# Altium PCB MPPT_FINAL.pcbdoc (part 1 of 2)
Units mil, origin at the board's own origin, x right, y up, seen from the top; angles counter-clockwise.
Board outline 3897.64 x 3105 mil, 2 copper layers (Top Layer, Bottom Layer); 148 components, 102 nets, 491 pads, 184 vias.
Unrouted connection lines stored in the file: 3.
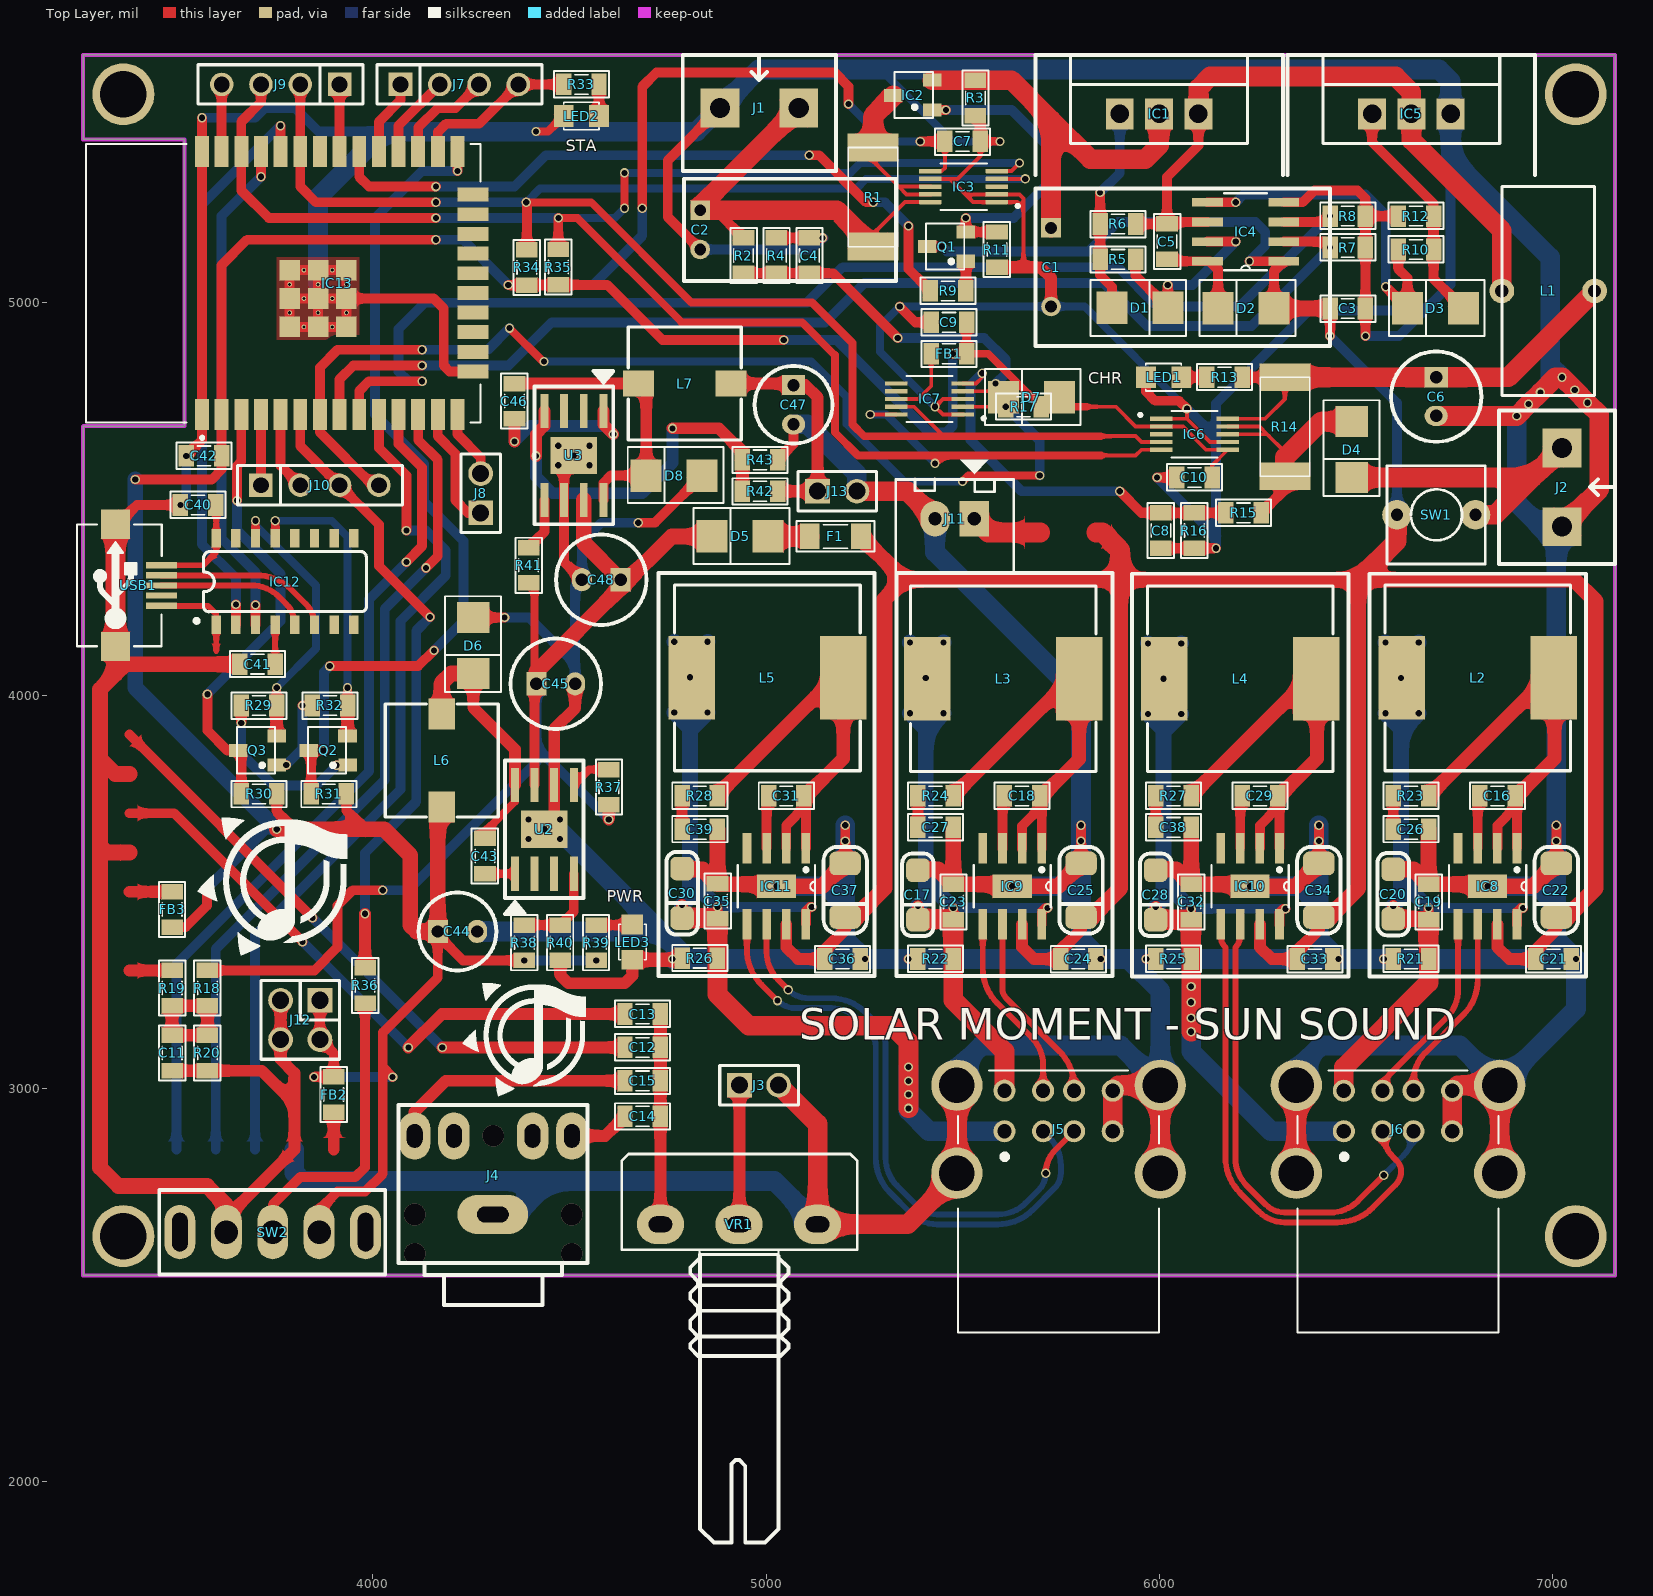
[diagram p0: Top Layer view]
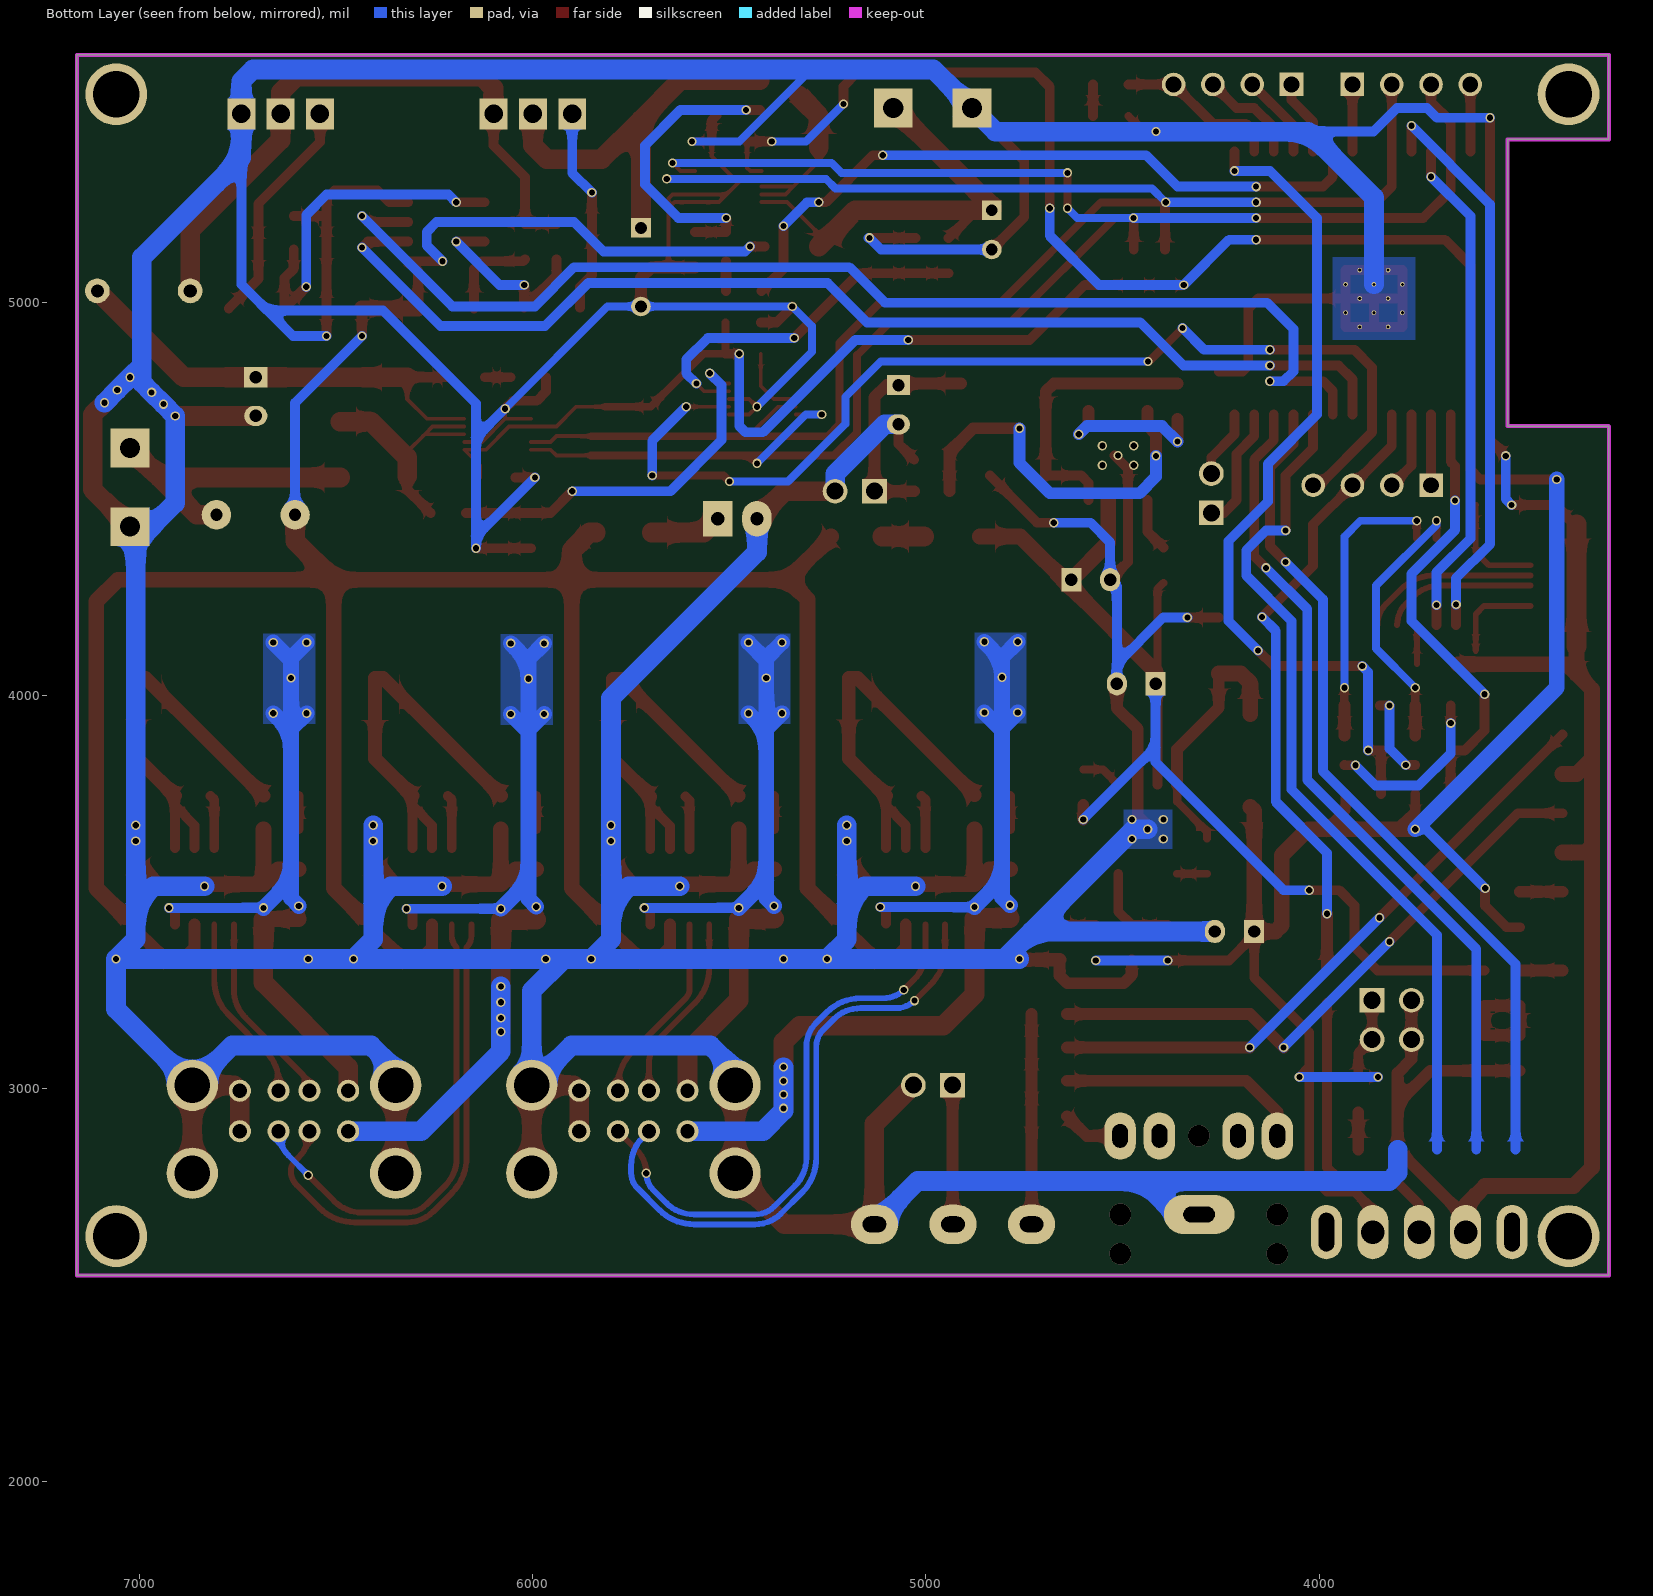
[diagram p1: Bottom Layer view, seen from below]
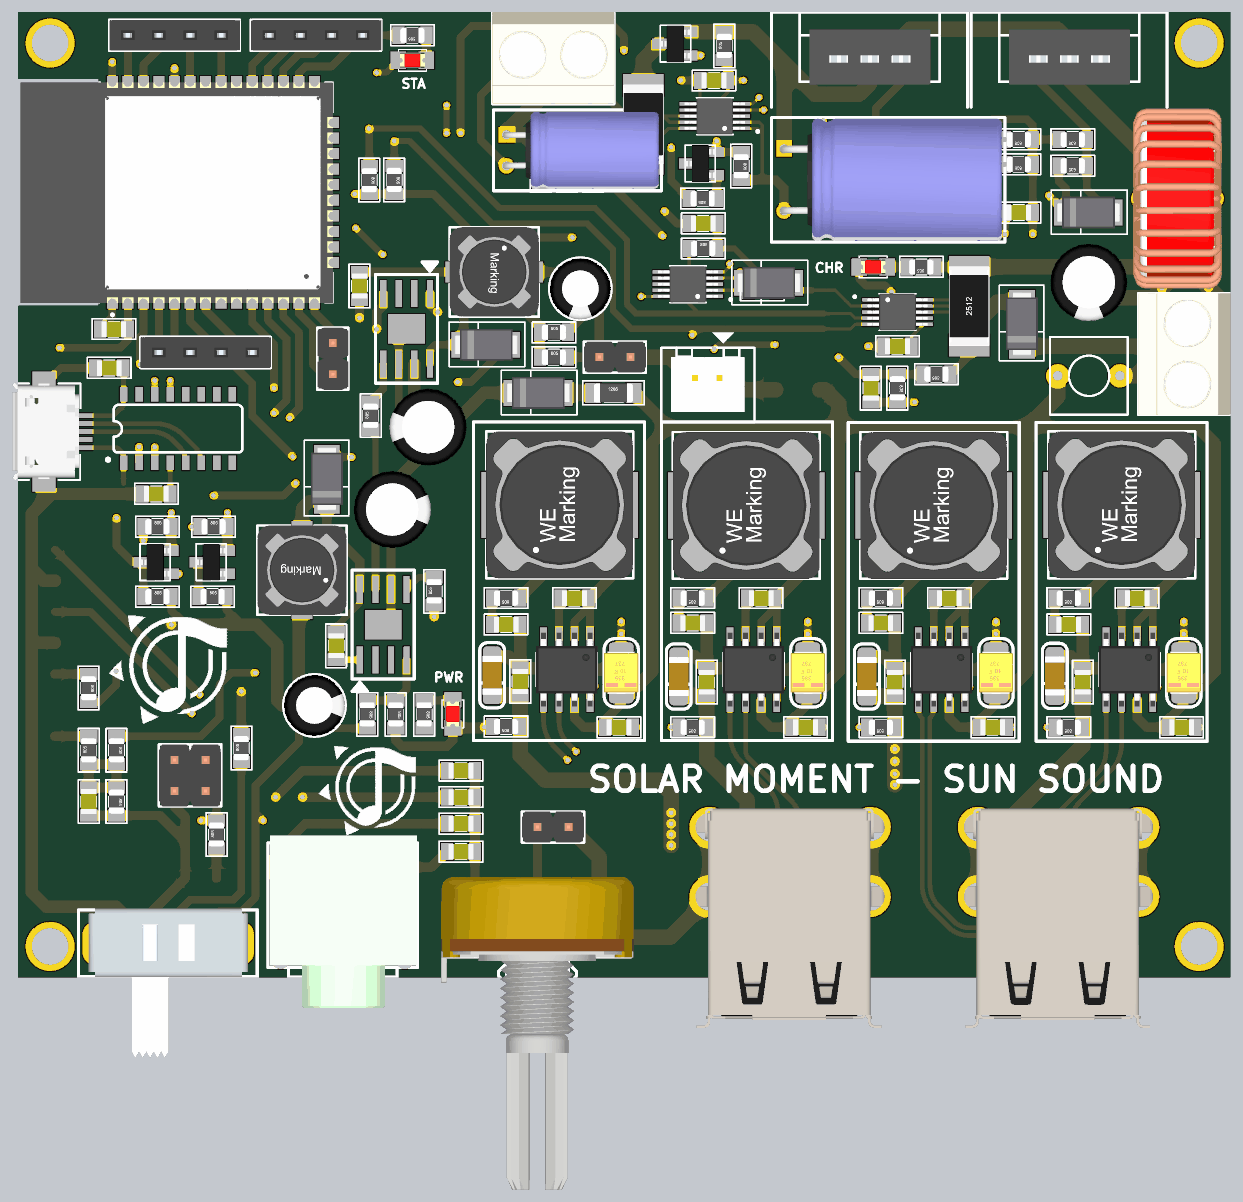
[diagram p3: 3D render of the assembled board from above, using the file's embedded part models]

## Layer stack, top to bottom
Top Solder: solder mask 0.4, Solder Resist, Dk 3.5
Top Layer: signal copper 1.4
Dielectric 1: dielectric 12.6, FR-4, Dk 4.8
Bottom Layer: signal copper 1.4
Bottom Solder: solder mask 0.4, Solder Resist, Dk 3.5

## Board outline
3262.36,5415 3262.36,5630 7160,5630 7160,2525 3262.36,2525 3262.36,4685 3262.83,4685.47 3520,4685.47 3520,5415

## Design rules (kind name [scope] priority, off if disabled: settings)
Clearance [All] p1: gap=25 ignorepadtopadclearanceinfootprint=TRUE except(0: Arc-Text Arc-Hole Track-Text Track-Hole SMDPad-Text SMDPad-Hole THPad-Text THPad-Hole Via-Text Via-Hole Fill-Text Fill-Hole Poly-Text Poly-Hole Region-Text Region-Hole Text-Text Text-Hole; 7: Arc-Arc Arc-Track Arc-SMDPad Track-Track Track-SMDPad; 10: SMDPad-SMDPad; 15: Arc-THPad Arc-Via Track-THPad Track-Via SMDPad-THPad SMDPad-Via THPad-THPad THPad-Via Via-Via)
DiffPairsRouting [All] p1: maxlimit=10 minlimit=10 mostfreqgap=10 toplayer_minwidth=15 toplayer_maxwidth=15 toplayer_prefwidth=15 bottomlayer_minwidth=15 bottomlayer_maxwidth=15 bottomlayer_prefwidth=15 maxuncoupledlength=500
PolygonConnect [All] p1: connectstyle=Direct reliefconductorwidth=15 reliefentries=4 polygonreliefangle="45 Angle" airgapwidth=10
RoutingVias [All] p1: holewidth=15.75 width=23.62 viastyle="Through Hole" minholewidth=15.75 minwidth=23.62 maxholewidth=15.75 maxwidth=23.62
SolderMaskExpansion [All] p1: expansion=4
Width [All] p1: maxlimit=50 minlimit=10 preferedwidth=20
29 further rules are at their usual default settings.

## Classes and differential pairs
component class U_POWER: C48 D5 D8 J12 J13 L7 U2 U3
component class U_MCU: IC12 IC13 J7 R33 R34 R35 R36
component class U_CHARGER: C18 C21 C26 C29 C33 C34 C35 C39 IC11 J5 L2 L4 R23 R24 R25 R28
component class U_AUDIO: C11 FB2 FB3 J4 R18 R19 R20 U1
component class U_MPPT: C8 D2 FB1 IC2 IC3 IC6 IC7 J2 L1 R1 R4 R7 R9 R12 R17
differential pair D: +D_P -D_N
differential pair DP4: +DP4_P -DP4_N
differential pair DP3: +DP3_P -DP3_N
differential pair DP2: +DP2_P -DP2_N
differential pair DP1: +DP1_P -DP1_N

## Components (designator, comment, footprint, x,y, rotation, side; value= is the part's Value field where it differs from the comment)
C1 "470uF/35V" CAP_H17_D10 5715,5090 r270 top
C2 "100uF/35V" CAP_H12_D06 4820.73,5185 r270 top
C3 "100nF" CAP_0805 6480,4985 r0 top value=33p
C4 "1uF" CAP_0805 5110.09,5119.65 r90 top value=33p
C5 "10uF" CAP_0805 6020,5155 r90 top value=33p
C6 "470uF/25V" C8mm 6705,4760.79 r270 top
C7 "100nF" CAP_0805 5500.09,5410 r0 top value=33p
C8 "1uF" CAP_0805 6004.65,4420 r270 top value=33p
C9 "100nF" CAP_0805 5465.3,4949.69 r180 top value=33p
C10 "100nF" CAP_0805 6090,4555 r180 top value=33p
C11 "10uF" CAP_0805 3489.09,3090.91 r90 top value=33p
C12 "10uF" CAP_0805 4686.18,3105 r180 top value=33p
C13 "10uF" CAP_0805 4686.18,3190 r180 top value=33p
C14 "10uF" CAP_0805 4686.18,2930 r0 top value=33p
C15 "10uF" CAP_0805 4686.18,3020 r0 top value=33p
C16 "100nF" CAP_0805 6860.59,3745 r180 top value=33p
C17 "220uF/10V" CAP_3216 5386.42,3492.99 r90 top
C18 "100nF" CAP_0805 5651.42,3745 r180 top value=33p
C19 "10uF" CAP_0805 6685.59,3475 r90 top value=33p
C20 "220uF/10V" CAP_3216 6595.59,3495 r90 top
C21 "22uF" CAP_0805 7003.51,3330 r0 top value=33p
C22 "100uF/25V" CAP_3528 7010.59,3505 r90 top
C23 "10uF" CAP_0805 5476.42,3475 r90 top value=33p
C24 "22uF" CAP_0805 5794.33,3330 r0 top value=33p
C25 "100uF/25V" CAP_3528 5801.42,3505 r90 top
C26 "1nF" CAP_0805 6640.59,3660 r180 top value=33p
C27 "1nF" CAP_0805 5431.42,3665 r180 top value=33p
C28 "220uF/10V" CAP_3216 5991.42,3492.99 r90 top
C29 "100nF" CAP_0805 6256.42,3745 r180 top value=33p
C30 "220uF/10V" CAP_3216 4786.42,3497.01 r90 top
C31 "100nF" CAP_0805 5051.42,3745 r180 top value=33p
C32 "10uF" CAP_0805 6081.42,3475 r90 top value=33p
C33 "22uF" CAP_0805 6396.42,3330 r0 top value=33p
C34 "100uF/25V" CAP_3528 6406.42,3505 r90 top
C35 "10uF" CAP_0805 4876.42,3477.01 r90 top value=33p
C36 "22uF" CAP_0805 5194.33,3330.01 r0 top value=33p
C37 "100uF/25V" CAP_3528 5201.42,3505.01 r90 top
C38 "1nF" CAP_0805 6036.42,3665 r180 top value=33p
C39 "1nF" CAP_0805 4831.42,3660.01 r180 top value=33p
C40 "100nF" CAP_0805 3555,4485 r180 top value=33p
C41 "100nF" CAP_0805 3706.53,4080 r180 top value=33p
C42 "10uF" CAP_0805 3570,4610 r180 top value=33p
C43 "100nF" CAP_0805 4285,3591.81 r270 top value=33p
C44 "220uF/10V" C5mm 4215,3400 r0 top
C45 "470uF/25V" C8mm 4465,4030 r0 top
C46 "100nF" CAP_0805 4360,4749.05 r270 top value=33p
C47 "220uF/10V" C5mm 5070,4740 r270 top
C48 "470uF/25V" C8mm 4580.79,4295 r180 top
D1 "1N5822" DIO-214AC(SMA) 5929,4984 r180 top value="Diode c?m 1N5408"
D2 "1N4007" DIO-214AC(SMA) 6243.2,4988 r0 top
D3 "1N5822" DIO-214AC(SMA) 6724.92,4988 r0 top value="Diode c?m 1N5408"
D4 "1N5822" DIO-214AC(SMA) 6487,4648.2 r90 top value="Diode c?m 1N5408"
D5 "1N5822" DIO-214AC(SMA) 4956,4408 r0 top value="Diode c?m 1N5408"
D6 "1N5822" DIO-214AC(SMA) 4252,4149.56 r90 top value="Diode c?m 1N5408"
D7 "1N5822" DIO-214AC(SMA) 5697.3,4761.82 r0 top value="Diode c?m 1N5408"
D8 "1N5822" DIO-214AC(SMA) 4788.2,4563 r0 top value="Diode c?m 1N5408"
F1 "F1A" RES-SMD-1206 5176.42,4405 r0 top value=Fuse
FB1 "10R" RES-SMD-0805 5465.3,4869.69 r0 top
FB2 "FB10R" RES-SMD-0805 3900,2985 r90 top
FB3 "FB10R" RES-SMD-0805 3489.09,3455.9 r270 top
IC1 "IRF2807" TO-220 6000,5480 r0 top
IC2 "AO3400" SOT23A 5373.33,5527 r90 top
IC3 "INA226" VSSOP-10 5502.54,5295 r180 top
IC4 "IR2104" SOP-8 6220,5180 r180 top
IC5 "IRF2807" TO-220 6641.72,5480 r0 top
IC6 "INA226" VSSOP-10 6090,4665 r0 top
IC7 "ADS1115" VSSOP-10 5415.94,4754.69 r180 top
IC8 "IP6505" ESOP-8 6835.59,3515 r270 top
IC9 "IP6505" ESOP-8 5626.42,3515 r270 top
IC10 "IP6505" ESOP-8 6231.42,3515 r270 top
IC11 "IP6505" ESOP-8 5026.42,3515 r270 top
IC12 "CH340C" SOP-16 3776.22,4290.24 r0 top
IC13 "ESP32-WROOM-32" MODULE_ESP32-WROOM-32 3772.09,5049.65 r90 top
J1 "KF2" KF2-5.08 4983.08,5495 r0 top
J2 "KF2" KF2-5.08 7025,4530 r270 top
J3 "JP2" JP2-D1T 4932.18,3009 r0 top
J4 "Jack Audio 3.5" JacPhone2 4306,2780 r180 top
J5 "USB-A-DUAL" USB_A_DUAL_FEMALE 5744.51,2708.76 r0 top
J6 "USB-A-DUAL" USB_A_DUAL_FEMALE 6607.96,2708.69 r0 top
J7 "JP4" JP4-C1T 4070,5555 r0 top
J8 "JP2" JP2-D1T 4274,4465 r90 top
J9 "JP4" JP4-C1T 3915,5555 r180 top
J10 "JP4" JP4-C1T 3715,4535 r0 top
J11 "KF2" CON2 5530,4450 r180 top
J12 "JP2x2" JP2-D2T 3815.03,3175 r180 top value="JP 2x2"
J13 "JP2" JP2-D1T 5131.18,4520 r0 top
L1 "180uH" L-DIP-M-13.5x6 6990,5029.68 r0 top value="150 mH"
L2 "22uH" L-SMD-M-12x10 6810.59,4045 r90 top value="150 mH"
L3 "22uH" L-SMD-M-12x10 5603.51,4042.99 r90 top value="150 mH"
L4 "22uH" L-SMD-M-12x10 6206.42,4042.99 r90 top value="150 mH"
L5 "22uH" L-SMD-M-12x10 5003.51,4045 r90 top value="150 mH"
L6 "33uH" L-SMD-M-7.3x4.5 4175,3835 r0 top value="150 mH"
L7 "33uH" L-SMD-M-7.3x4.5 4793.11,4794.06 r90 top value="150 mH"
LED1 "LED" LED-0805-Red 6056.5,4810 r180 top value="LED 3 ly Single Colour"
LED2 "LED" LED-0805-Red 4575,5474.61 r180 top value="LED 3 ly Single Colour"
LED3 "LED" LED-0805-Red 4660,3417.85 r270 top value="LED 3 ly Single Colour"
Q1 "2SC1815" SOT23D 5459.3,5142.54 r90 top value=C1815
Q2 "2SC1815" SOT23D 3886.22,3860.69 r90 top value=C1815
Q3 "2SC1815" SOT23D 3706,3860.69 r90 top value=C1815
R1 "R050" RES-SMD-2512 5267.55,5268.53 r270 top
R2 "200k" RES-SMD-0805 4942.54,5119.65 r90 top
R3 "1M" RES-SMD-0805 5532.54,5520.8 r90 top
R4 "20k" RES-SMD-0805 5026.31,5119.65 r90 top
R5 "100R" RES-SMD-0805 5895,5110 r0 top
R6 "100k" RES-SMD-0805 5895,5200 r0 top
R7 "10k" RES-SMD-0805 6480,5140 r180 top
R8 "10k" RES-SMD-0805 6480,5220 r180 top
R9 "100R" RES-SMD-0805 5463.3,5029.68 r180 top
R10 "100R" RES-SMD-0805 6653.43,5135 r180 top
R11 "100k" RES-SMD-0805 5587.5,5134.54 r270 top
R12 "100k" RES-SMD-0805 6653.43,5220 r180 top
R13 "8k2" RES-SMD-0805 6166.5,4810 r180 top
R14 "R050" RES-SMD-2512 6325,4684.01 r90 top
R15 "100k" RES-SMD-0805 6215,4465 r180 top
R16 "30k" RES-SMD-0805 6089.65,4420 r270 top
R17 "10k" RES-SMD-0805 5655,4735 r180 top
R18 "8k2" RES-SMD-0805 3578.72,3255.9 r270 top
R19 "0R" RES-SMD-0805 3489.09,3255.91 r90 top
R20 "2k7" RES-SMD-0805 3578.72,3090.9 r270 top
R21 "3k3" RES-SMD-0805 6640.59,3330 r180 top
R22 "3k3" RES-SMD-0805 5431.42,3330 r180 top
R23 "2R" RES-SMD-0805 6640.59,3745 r180 top
R24 "2R" RES-SMD-0805 5431.42,3745 r180 top
R25 "3k3" RES-SMD-0805 6036.42,3330 r180 top
R26 "3k3" RES-SMD-0805 4831.42,3332.01 r180 top
R27 "2R" RES-SMD-0805 6036.42,3745 r180 top
R28 "2R" RES-SMD-0805 4831.42,3745 r180 top
R29 "10k" RES-SMD-0805 3710,3975 r0 top
R30 "10k" RES-SMD-0805 3710.21,3750.01 r0 top
R31 "10k" RES-SMD-0805 3887.52,3750 r0 top
R32 "10k" RES-SMD-0805 3890.43,3975 r0 top
R33 "470R" RES-SMD-0805 4530,5555 r180 top
R34 "10k" RES-SMD-0805 4391.5,5089.49 r270 top
R35 "10k" RES-SMD-0805 4471.5,5090 r270 top
R36 "10k" RES-SMD-0805 3979.9,3262.91 r90 top
R37 "100k" RES-SMD-0805 4600,3767 r90 top
R38 "100k" RES-SMD-0805 4385,3371.35 r270 top
R39 "1k" RES-SMD-0805 4568,3371.35 r270 top
R40 "62k" RES-SMD-0805 4476.5,3371.35 r270 top
R41 "100k" RES-SMD-0805 4396,4331.69 r90 top
R42 "30k" RES-SMD-0805 4985,4520 r0 top
R43 "10k" RES-SMD-0805 4985,4600 r0 top
SW1 "SW" SW2 6805,4460 r180 top value="SW chip 2 pin"
SW2 "SW102" Switch 3981.22,2635 r180 top
U2 "TPS5430" TPS5430-2 4436,3660 r90 top
U3 "TPS5430" TPS5430-2 4511.23,4610.94 r270 top
USB1 "USB-5" USB-M1 3461.84,4280.51 r90 top
VR1 "10k" VOL_X1 4931.18,2655 r0 top value="VR 10K"

## Footprints (in the part's own frame and the unit in brackets; to place one, negate y for a bottom-side part, rotate by r counter-clockwise, add the part's x,y. Pads: shape width x height; smd on the part's side, far side on the other; paste and mask are expansions set on the pad)
C5mm [mm]
  rect 1.3x1.5 hole 0.8: 1(-1.27,0)
  oval 1.3x1.5 hole 0.8: 2(1.27,0)
  silkscreen extent -2.51,-2.51 2.51,2.51, body extent -2.5,-2.5 2.49,2.5, height 11.01
C8mm [mm]
  rect 1.3x1.5 hole 0.8: 1(-1.25,0)
  oval 1.3x1.5 hole 0.8: 2(1.25,0)
  silkscreen extent -2.92,-2.92 2.92,2.92, body extent -3.15,-3.15 3.16,3.15, height 11.51
CAP_0805 [mil]
  rect 39.37x55 smd: 1(-45,0) 2(45,0)
  silkscreen extent -70,-34 70,33, body extent -40,-25 40,25, height 24
CAP_3216 [mil]
  rrect50% 60x60 smd: 1(-62.99,0) 2(62.99,0)
  silkscreen extent -105,-40 105,40, body extent -63,-31 63,31, height 39
CAP_3528 [mil]
  rrect50% 60x80 smd: 1(-68.12,0.01) 2(68.1,0.01)
  silkscreen extent -110,-55 110,55, body extent -68,-55 68,55, height 76
CAP_H12_D06 [mil]
  rect 50x50 hole 30: 1(-50,11.81)
  round 50 hole 30: 2(50,11.81)
  silkscreen extent -130,-30 130,510, body extent -124,0 124,503, height 488
CAP_H17_D10 [mil]
  rect 50x50 hole 30: 1(-100,10)
  round 50 hole 30: 2(100,10)
  silkscreen extent -200,-30 200,720, body extent -197,-2 197,711, height 634
CON2 [mil] "CON2"
  rect 75x90 hole 34: 1(0,0)
  oval 75x90 hole 34: 2(100,0)
  silkscreen extent -100,-150 200,140, body extent -68,-70 168,107, height 236
DIO-214AC(SMA) [mm] "DO-214AC Diode Smallest Size"
  rect 2x2.1 smd: 1(1.245,-0.076) 2(-2.367,-0.076)
  silkscreen extent -3.56,-1.86 2.62,1.76, body extent -3.13,-1.38 2.07,1.22, height 2.4
ESOP-8 [mil]
  rect 78x22 smd: 1(-97,75) 2(-97,25) 3(-97,-25) 4(-97,-75) 5(97,-75) 6(97,-25) 7(97,25) 8(97,75)
  rect 60x100 smd: 9(0,0)
  Top Layer region: -190,-20
  silkscreen extent -54,-98 54,98, body extent -119,-99 119,99, height 63
JacPhone2 [mil] "Jac Phone Stereo"
  oval 80x120 hole 40 slot 60 at 90 deg: 1(-200,-100) 2(-100,-100) 3(100,-100) 4(200,-100)
  oval 180x100 hole 40 slot 80 at 0 deg: 5(1,100)
  silkscreen extent -240,-178 241,330, body extent -239,-202 233,354, height 394
JP2-D1T [mm] "2 pins, 1 row, straight, gold plating"
  rect 1.6x1.6 hole 1.1: 1(0,0)
  round 1.6 hole 1.1: 2(2.54,0)
  silkscreen extent -1.27,-1.27 3.81,1.27, body extent -1.27,-1.27 3.81,1.27, height 8.54
JP2-D2T [mm] "4 pins, dual pin, straight, gold plating"
  rect 1.6x1.6 hole 1.1: 1(-1.27,-1.27)
  round 1.6 hole 1.1: 2(1.27,-1.27) 3(1.27,1.27) 4(-1.27,1.27)
  silkscreen extent -2.54,-2.54 2.54,2.54, body extent -2.54,-2.54 2.54,2.54, height 8.55
JP4-C1T [mm] "4 row, straight, gold plating"
  rect 1.52x1.52 hole 1.02: 1(0,0)
  round 1.52 hole 1.02: 2(2.54,0) 3(5.08,0) 4(7.62,0)
  silkscreen extent -1.52,-1.27 9.14,1.27, body extent -1.52,-1.25 9.14,1.25, height 8.51
KF2-5.08 [mm]
  rect 2.5x2.5 hole 1.3: 1(-2.54,0) 2(2.54,0)
  silkscreen extent -4.95,-4.08 4.95,3.43, body extent -5,-4.07 5,3.43, height 10
L-DIP-M-13.5x6 [mm] "Body 13.5x6mm, 2 leads"
  round 1.6 hole 0.85: 1(-3,0) 2(3,0)
  silkscreen extent -3,-6.75 3,6.75, body extent -3.62,-7.35 3.62,7.35, height 14.8
L-SMD-M-7.3x4.5 [mm] "WE-PDA SMD Shielded Power Inductor, 7345"
  rect 1.7x2 smd: 1(0,3) 2(0,-3)
  silkscreen extent -3.65,-3.65 3.65,3.65, body extent -3.65,-3.65 3.65,3.65, height 4.05
L-SMD-M-12x10 [mm] "WE-PDA SMD Shielded Power Inductor, 1210"
  rect 5.4x3 smd: 1(0,4.9) 2(0,-4.9)
  silkscreen extent -6,-6 6,6, body extent -6,-6 6,6, height 9.7
LED-0805-Red [mil]
  rect 50x55 smd: 1(0,0) 2(90,0)
  silkscreen extent 0,-35 90,35, body extent 5,-25 85,25, height 43
MODULE_ESP32-WROOM-32 [mm]
  rect 2x0.9 smd: 1(-8.5,5.26) 2(-8.5,3.99) 3(-8.5,2.72) 4(-8.5,1.45) 5(-8.5,0.18) 6(-8.5,-1.09) 7(-8.5,-2.36) 8(-8.5,-3.63) 9(-8.5,-4.9) 10(-8.5,-6.17) 11(-8.5,-7.44) 12(-8.5,-8.71) 13(-8.5,-9.98) 14(-8.5,-11.25) 25(8.5,-11.25) 26(8.5,-9.98) 27(8.5,-8.71) 28(8.5,-7.44) 29(8.5,-6.17) 30(8.5,-4.9) 31(8.5,-3.63) 32(8.5,-2.36) 33(8.5,-1.09) 34(8.5,0.18) 35(8.5,1.45) 36(8.5,2.72) 37(8.5,3.99) 38(8.5,5.26)
  rect 0.9x2 smd: 15(-5.715,-12.25) 16(-4.445,-12.25) 17(-3.175,-12.25) 18(-1.905,-12.25) 19(-0.635,-12.25) 20(0.635,-12.25) 21(1.905,-12.25) 22(3.175,-12.25) 23(4.445,-12.25) 24(5.715,-12.25)
  rect 1.33x1.33 smd: 39_1(-2.835,-0.405) 39_2(-1,-0.405) 39_3(0.835,-0.405) 39_4(-2.835,-2.24) 39_5(-1,-2.24) 39_6(0.835,-2.24) 39_7(-2.835,-4.075) 39_8(-1,-4.075) 39_9(0.835,-4.075)
  round 0.3 hole 0.2: 39_10(-1.917,-0.405) 39_11(-0.082,-0.405) 39_12(-2.835,-1.322) 39_13(-1,-1.322) 39_14(0.835,-1.322) 39_15(-1.917,-2.24) 39_16(-0.082,-2.24) 39_17(-2.835,-3.157) 39_18(-1,-3.157) 39_19(0.835,-3.157) 39_20(-1.917,-4.075) 39_21(-0.082,-4.075)
  silkscreen extent -10.1,-12.75 9,12.75, body extent -9.02,-12.75 8.98,12.75, height 3.2
RES-SMD-0805 [mil]
  rect 39.37x55 smd: 1(-45,0) 2(45,0)
  silkscreen extent -70,-34 70,33, body extent -39,-25 39,25, height 31
RES-SMD-1206 [mil]
  rect 50x65 smd: 1(-65,0) 2(65,0)
  silkscreen extent -99,-38 99,39, body extent -63,-31 63,32, height 40
RES-SMD-2512 [mm] "Chip Capacitor, Body 3.2x2.5mm, IPC Medium Density"
  rect 1.8x3.3 smd: 1(-3.2,0.127) 2(3.2,0.127)
  silkscreen extent -3.2,-1.47 3.2,1.73, body extent -3.2,-1.47 3.2,1.73, height 0.6
SOP-8 [mil]
  rect 78x22 smd: 1(-97,75) 2(-97,25) 3(-97,-25) 4(-97,-75) 5(97,-75) 6(97,-25) 7(97,25) 8(97,75)
  silkscreen extent -54,-98 54,98, body extent -119,-99 119,99, height 63
SOP-16 [mm]
  rect 0.6x1.2 smd: 1(-4.445,-2.8) 2(-3.175,-2.8) 3(-1.905,-2.8) 4(-0.635,-2.8) 5(0.635,-2.8) 6(1.905,-2.8) 7(3.175,-2.8) 8(4.445,-2.8) 9(4.445,2.8) 10(3.175,2.8) 11(1.905,2.8) 12(0.635,2.8) 13(-0.635,2.8) 14(-1.905,2.8) 15(-3.175,2.8) 16(-4.445,2.8)
  silkscreen extent -5.84,-2.67 5.26,1.95, body extent -4.95,-3.47 4.95,3.47, height 1.75
SOT23A [mm] "SOT 23A"
  rect 0.85x1.2 smd: 1(-0.94,-1.245) 2(0.005,1.25) 3(0.985,-1.25)
  silkscreen extent -1.47,-1.3 1.52,1.17, body extent -1.5,-1.3 1.5,1.2, height 1.06
SOT23D [mm] "SOT 23C - 1-3-2 - BCE"
  rect 0.85x1.2 smd: 1(-0.95,-1.25) 2(0.94,-1.245) 3(0,1.25)
  silkscreen extent -1.5,-1.14 1.5,1.32, body extent -1.5,-1.17 1.5,1.33, height 1.06
SW2 [mil] "SW button 2pin, 250x 250 mil"
  round 75 hole 31: 1(0,0) 2(200,0)
  silkscreen extent -25,-125 225,125
Switch [mm]
  oval 2x3.5 hole 1.5: 1(3,0) 2(6,0) 3(9,0)
  oval 2x3.5 hole 1 slot 2.5 at 90 deg: 4(0,0) 5(12,0)
  silkscreen extent -1.27,-2.73 13.33,2.73, body extent -0.5,-2.85 12.5,9.35, height 2.6
TO-220 [mm]
  rect 1.8x2 hole 1.2: 1(-2.54,0) 2(0,0) 3(2.54,0)
  silkscreen extent -5.71,-1.91 5.71,3.81, body extent -4.92,-2.13 4.98,2.37, height 8.08
TPS5430-2 [mm]
  rect 2.2x0.508 smd: 1(-2.875,1.905) 2(-2.875,0.635) 3(-2.875,-0.635) 4(-2.875,-1.905) 5(2.875,-1.905) 6(2.875,-0.635) 7(2.875,0.635) 8(2.875,1.905)
  rect 2.413x2.54 smd: 9(0,0.229) 9(0,-0.229)
  silkscreen extent -5.46,-2.54 4.44,2.54, body extent -3.33,-2.49 3.33,2.49, height 1.69
USB-M1 [mm]
  rect 0.4x2 smd: 1(1.3,0) 2(0.65,0) 3(0,0) 4(-0.65,0) 5(-1.321,0)
  rect 1.9x1.9 smd: 5(-3.95,2.968) 5(3.95,2.968)
  silkscreen extent -3.94,-0.03 3.94,5.46, body extent -3.98,0.11 4,5.54, height 2.71
USB_A_DUAL_FEMALE [mm]
  round 1.428 hole 0.92: 1(-3.505,4.648) 2(-1.005,4.648) 3(0.995,4.648) 4(3.495,4.648) 5(-3.505,7.268) 6(-1.005,7.268) 7(0.995,7.268) 8(3.495,7.268)
  round 3.316 hole 2.3: S1(-6.575,7.618) S2(6.565,7.618) S3(-6.575,1.938) S4(6.565,1.938)
  silkscreen extent -6.51,-8.36 6.49,8.59, body extent -7.87,-8.77 7.72,9.15, height 15.69
VOL_X1 [mil]
  oval 120x100 hole 40 slot 60 at 0 deg: 1(-200,0) 2(0,0) 3(200,0)
  silkscreen extent -298,-810 301,179, body extent -310,-812 310,194, height 839
VSSOP-10 [mm]
  rrect25% 1.47x0.28 smd: 1(-2.15,1) 2(-2.15,0.5) 3(-2.15,0) 4(-2.15,-0.5) 5(-2.15,-1) 6(2.15,-1) 7(2.15,-0.5) 8(2.15,0) 9(2.15,0.5) 10(2.15,1)
  silkscreen extent -3.6,-1.5 1.5,1.5, body extent -2.46,-1.5 2.46,1.5, height 1.1

## Part data
C1 C2 C6 C44 C45 C47 C48: library part "Cap Pol", "Polarized Capacitor (Axial)", LatestRevisionDate=17-Jul-2002, LatestRevisionNote="Re-released for DXP Platform.", PackageReference=POLAR0.8, Published=8-Jun-2000, Publisher="Altium Limited"
C3 C4 C5 C7 C8 C9 C10 C11 C12 C13 C14 C15 C16 C18 C19 C21 C23 C24 C26 C27 C29 C31 C32 C33 C35 C36 C38 C39 C40 C41 C42 C43 C46: library part CapSMD, "Capacitor", LatestRevisionDate=17-Jul-2002, LatestRevisionNote="Re-released for DXP Platform.", PackageReference=RAD-0.3, Published=8-Jun-2000, Publisher="Altium Limited"
C17 C20 C22 C25 C28 C30 C34 C37: library part CAP_TAN_SMD, "Polazied Tantalum Capacitor"
D1 D3 D4 D5 D6 D7 D8: "Schottky Rectifiers"
D2: library part D1A, "Diode 1A"
F1: library part Fuse, "Fuse", Designed by=VanDungEvn
FB1 FB2 FB3: library part "Ferrit Bead", "Generic Ferrit Bead"
IC1 IC2 IC5: library part MOSFET_N, "Generic N Channel MOSFET"
IC3 IC6: "Current Sensing IC"
IC4: "PWM Driver"
IC7: "16 bits 4 channals ADC IC"
IC8 IC9 IC10 IC11: "DC/DC Converter Charge IC QC/DCP/..."
IC12: "USB to serial chip CH340", Package=Package, Availability=Unavailable, Check_prices=https://www.snapeda.com/parts/CH340C/WCH/view-part/5428851/?ref=eda, MF=WCH, MP=CH340C, Price=None, SnapEDA_Link=https://www.snapeda.com/parts/CH340C/WCH/view-part/5428851/?ref=snap
IC13: "Bluetooth, WiFi Transceiver Module 2.4GHz ~ 2.5GHz Surface Mount", Package="Module Espressif Systems", Digi-Key_Part_Number=1904-1010-1-ND, Digi-Key_Purchase_URL=https://www.digikey.com/product-detail/en/espressif-systems/ESP32-WROOM-32/1904-1010-1-ND/8544305?utm_source=snapeda&utm_medium=aggregator&utm_campaign=symbol, MF="Espressif Systems", MP=ESP32-WROOM-32, SnapEDA_Link=https://www.snapeda.com/parts/ESP32-WROOM-32/Espressif%20Systems/view-part/2753322/?ref=snap
J1 J2 J11: Manufacturer="Würth Elektronik eiSos GmbH", partNo=691103110002, ComponentLink1 Description=Manufacturer, ComponentLink1URL=http://www.we-online.com, ComponentLink2 Description=Datasheet, ComponentLink2URL=http://katalog.we-online.de/em/datasheet/6911031100xx.pdf, Created by="Karrer Zheng", Created Date="29 October 2013", NoPins=2
J3 J8 J13: "WR-PHD 2.54 mm Angled Socket Header", Manufacturer="Würth Elektronik eiSos GmbH", partNo=613002143121, ComponentLink1 Description=Manufacturer, ComponentLink1URL=http://www.we-online.com, ComponentLink2 Description=Datasheet, ComponentLink2URL=http://katalog.we-online.de/em/datasheet/6130xx143121.pdf, Created by="Karrer Zheng", Created Date="29 March 2013", NoPins=02
J4: library part "Jac Phone2", "Jac Phone Stereo", Creat by=VanDungEvn@Gmail.com
J5 J6: library part USBA-DUAL, "Dual USB type A female"
J7 J9 J10: "WR-PHD 2.54 mm Angled Socket Header", Manufacturer="Würth Elektronik eiSos GmbH", partNo=613004143121, ComponentLink1 Description=Manufacturer, ComponentLink1URL=http://www.we-online.com, ComponentLink2 Description=Datasheet, ComponentLink2URL=http://katalog.we-online.de/em/datasheet/6130xx143121.pdf, Created by="Karrer Zheng", Created Date="29 March 2013", NoPins=04
J12: "Jumper 2x2"
L1 L2 L3 L4 L5 L6 L7: library part Inductor, "180uH 4A 13mm"
LED1 LED2 LED3: "LED Single colour Green and Red"
Q1 Q2 Q3: library part C1815, "NPN 600mW, ECB", =C2383
R1 R14 R18 R19 R20: library part "Resistor - SMD", "Resistor SMD", Manufacturer="Generic Components", Class=Passive, Published=08/06/2000, Publisher="Altium Hobart Technology Centre"
R2 R3 R4 R5 R6 R7 R8 R9 R10 R11 R12 R13 R15 R16 R17 R21 R22 R23 R24 R25 R26 R27 R28 R29 R30 R31 R32 R33 R34 R35 R36 R37 R38 R39 R40 R41 R42 R43: library part "Resistor - SMD", "Resistor", Manufacturer="Generic Components", Class=Passive, Published=08/06/2000, Publisher="Altium Hobart Technology Centre"
SW1: library part SW2, "Switch button 2 pin"
SW2: library part Switch, "Switch"
USB1: Manufacturer=FCI, Manufacturer Part Number=10118193-0001LF, Supplier Part Number 1=609-4616-1-ND, .Checked PCB=RF, .Checked SCH=MM, .Creator=MM, Category="Connectors, Interconnects", ComponentLink1Description=http://portal.fciconnect.com/Comergent//fci/drawing/10118193.pdf, ComponentLink1URL=http://portal.fciconnect.com/Comergent//fci/drawing/10118193.pdf, Connector Type="USB - micro B", Features="Shielded, Solder Retention", Gender=Receptacle, Ingress Protection=-, Mounting Type="Surface Mount, Right Angle, Horizontal", Number of Contacts=5, Packaging="Cut Tape (CT)", Pricing 1="1=0.46, 10=0.433, 25=0.3712, 50=0.3156, 100=0.3032, 250=0.27224, 500=0.25988 (USD)", RoHS="RoHS Compliant", Specifications="USB 2.0", Stock 1=28642, Supplier 1=Digi-Key
VR1: library part VR, "Var Resistor"
U2 U3: Name=TPS5430

## Free pads (board coordinates)
  round 157.48 hole 118.11: 0(3365,2625) 0(3365,5530) 0(7060,2625) 0(7060,5530)

## Via types
v1: diameter 23.62, hole 15.75, Top Layer to Bottom Layer, 179 vias
v2: diameter 55, hole 55, Top Layer to Bottom Layer, 5 vias

## Nets (pads, with @x,y where several pads share a name; then routed paths per layer and width w, separated by ;. In a path a pad name is that pad's centre, name@x,y a point inside that pad or via, vN(x,y) a via of type N, cw(c..) or ccw(c..) an arc to the next point about the centre after c; other vN are vias at no path point)
3V3: C7.1 C9.1 C10.1 C42.1 C44.1 FB1.2 FB2.2 FB3.2 IC3.6 IC6.2 IC6.6 IC13.2 J12.1 J12.4 L6.2 R17.1 R30.2 R31.2 R34.2 R35.2 R38.2 R39.2 SW2.1 | length 10213.7
  Top Layer w10: IC3.6@5417.9,5334.37 5446.91,5334.37 5455.09,5342.54 C7.1@5455.09,5410 ; 5815,4735 5890,4735 5940.31,4684.69 IC6.2@6005.35,4684.69 6060.31,4684.69 6119.37,4625.63 IC6.6@6174.65,4625.63 6135,4585.98 C10.1@6135,4555
  Top Layer w20: C9.1@5510.3,4949.69 FB1.2@5510.3,4869.69 5565.31,4869.69 R17.1@5700,4735 5815,4735
  Top Layer w25: v1(3395,4550) 3590,4550 3615,4575 C42.1@3615,4610 IC13.2@3615,4715 3615,5095 3680,5160 v1(4160,5160) ; FB3.2@3489.09,3410.91 3522.64,3410.91 3577.35,3465.61 v1(3577.35,3510) ; R30.2@3755.21,3750.01 3755.21,3704.79 3800,3660 ; v1(3850,3030) FB2.2@3900,3030 3900,3090.03 J12.4@3865.03,3125 J12.1@3865.03,3225 ; SW2.1@3863.11,2635 3863.11,2691.47 3910,2738.36 3979.9,2738.36 4025,2783.46 4025,3055 ; R31.2@3932.52,3750 3932.52,3707.48 3980,3660 ; v1(4050,3030) 4025,3055 ; C44.1@4165,3400 C44.1@4165,3390 ; v1(4344.09,5044.49) R34.2@4391.5,5044.49 4470.99,5044.49 R35.2@4471.5,5045 4596.18,5045 4736.18,4905 v1(5045,4905) ; v1(4385,3326.35) 4228.65,3326.35 C44.1@4165,3390 ; v1(4685,5240) 4685,5549 4721,5585 5175,5585 5210,5550 v1(5210,5505) ; v1(5392.54,5410) C7.1@5455.09,5410 ; v1(5475,4870) 5509.99,4870 FB1.2@5510.3,4869.69 ; 4025,3055 4025,3142.76 4165,3282.76 C44.1@4165,3390
  Top Layer w40: v1(3755,3660) 3800,3660 3980,3660 4028.85,3660 4095,3593.85 4095,3415.91 4110.91,3400 C44.1@4165,3400 4165,3706.89 L6.2@4175,3716.89
  Bottom Layer w20: v1(5210,5505) 5305,5410 v1(5392.54,5410)
  Bottom Layer w25: v1(3577.35,3510) 3727.35,3660 v1(3755,3660) ; v1(3850,3030) v1(4050,3030) ; v1(4160,5160) 4228.58,5160 v1(4344.09,5044.49) 4559.49,5044.49 4685,5170 v1(4685,5240) ; v1(4385,3326.35) v1(4568,3326.35) ; v1(5045,4905) 5180,4905 5415,4670 5459.21,4670 5475,4685.79 v1(5475,4870)
  Bottom Layer w40: v1(3395,4550) 3395,4020 v1(3755,3660)
5V: C47.1 J13.1 L7.2 R42.2 | length 574.6
  Top Layer w30: L7.2@4911.22,4794.06 5065.94,4794.06 C47.1@5070,4790 5100,4790 5131.18,4758.82 J13.1@5131.18,4520 R42.2@5030,4520
ADC_RDY: IC7.2 IC13.7 J10.4 R17.2 | length 2771.5
  Top Layer w10: IC7.2@5500.59,4735 v1(5610,4735)
  Top Layer w20: v1(4347.57,4935) v1@4433.79,4848.79 ; v1(5500,4545) 5515,4560 v1(5696.42,4560)
  Top Layer w25: J10.4@4015,4535 4000,4535 3865,4670 IC13.7@3865,4715 3865,4835 3910,4880 v1(4125,4880)
  Bottom Layer w20: v1(4435,4850) 5115,4850 5205,4760 5205,4690.94 5350.94,4545 v1(5500,4545)
  Bottom Layer w25: v1(4125,4880) 4292.57,4880 v1(4347.57,4935) ; v1(5610,4735) 5696.42,4648.58 v1(5696.42,4560)
ADC_SCL: IC3.5 IC6.5 IC7.10 IC13.36 J9.3 R35.1 | length 4771.7
  Top Layer w10: v1(5265.31,4715.31) IC7.10@5331.3,4715.31 ; IC3.5@5587.19,5334.37 5624.06,5334.37 v1(5644.69,5355) ; 5852.37,4610.94 5940,4610.94 5954.69,4625.63 IC6.5@6005.35,4625.63
  Top Layer w20: v1@4471.5,5214.77 4520.23,5214.77 4785.31,4949.69 5091.5,4949.69 5175,4866.18 5175,4670 5234.06,4610.94 5450,4610.94 ; v1(4640,5240) v1(4640,5330) ; v1(5430,4590.94) 5450,4610.94 ; 5852.37,4610.94 5450,4610.94
  Top Layer w25: J9.3@3715,5555 3715,5510 3665,5460 IC13.36@3665,5384.29 3665,5285 3735,5215 v1(4160,5215) ; R35.1@4471.5,5135 4471.5,5214.77 v1(4471.73,5215)
  Bottom Layer w20: v1(4471.73,5215) 4615,5215 v1(4640,5240) ; v1(4640,5330) 5215,5330 5240,5355 v1(5644.69,5355) ; v1(5265.31,4715.31) 5305.63,4715.31 v1(5430,4590.94)
  Bottom Layer w25: v1(4160,5215) v1(4471.73,5215)
ADC_SDA: IC3.4 IC6.4 IC7.9 IC13.33 J9.2 R34.1 | length 4479.2
  Top Layer w10: IC7.9@5331.3,4735 5376.57,4735 5450,4661.57 5450,4660 ; IC3.4@5587.19,5314.69 v1(5659.69,5314.69) ; 5851.42,4660 5940,4660 5954.69,4645.31 IC6.4@6005.35,4645.31
  Top Layer w20: v1(4390,5255) 4555,5255 4810,5000 5117,5000 5220,4897 5220,4690 5250,4660 5450,4660 5851.42,4660
  Top Layer w25: J9.2@3815,5555 IC13.33@3815,5384.29 3815,5295.43 3855.43,5255 v1(4160,5255) ; v1(4390,5255) 4391.5,5253.5 R34.1@4391.5,5134.49
  Bottom Layer w20: v1(4390,5255) 4425,5290 5230,5290 5254.69,5314.69 v1(5659.69,5314.69)
  Bottom Layer w25: v1(4160,5255) v1(4390,5255)
BAT_VBUS: D4.2 J2.1 SW1.1 | length 750.4
  Top Layer w50: D4.2@6490,4555 6950,4555 ; SW1.1@6805,4460 6855,4460 6950,4555 ; J2.1@7025,4630 6950,4555
BCLK: IC13.11 | length 2153.7
  Top Layer w25: IC13.11@4065,4715 4065,4640 4125,4580 4125,4380 v1(4085,4340)
  Bottom Layer w25: 3500,2845 3500,3317.48 3990,3807.48 3990,4245 v1(4085,4340)
D_N: IC12.6 USB1.2 | length 451.2
  Top Layer w15: USB1.2@3461.84,4306.1 3704.46,4306.1 cw(c3704.46,4181.1) 3792.85,4269.49 3829.21,4233.13 cw(c3776.08,4180) IC12.6@3851.22,4180
D_P: IC12.5 USB1.3 | length 391.7
  Top Layer w15: USB1.3@3461.84,4280.51 3690.41,4280.51 cw(c3690.41,4180.51) 3761.12,4251.22 3779.21,4233.13 cw(c3726.08,4180) IC12.5@3801.22,4180
DATA: IC13.12 | length 2124.7
  Top Layer w25: IC13.12@4115,4715 4115,4650 4165,4600 4165,4355 v1(4135,4325)
  Bottom Layer w25: 3600,2845 3600,3355 4030,3785 4030,4220 v1(4135,4325)
DP1_N: IC11.5 J5.2 | length 1549.6
  Top Layer w15: IC11.5@4951.42,3418 4951.42,3353.58 ccw(c5076.42,3353.58) 4988.03,3265.19 v1(5029.11,3224.11)
  Bottom Layer w15: v1(5029.11,3224.11) ccw(c5075.25,3270.25) 5075.25,3205 5166.42,3205 cw(c5166.42,3108.43) 5234.71,3176.72 5261.42,3150 cw(c5218.74,3107.32) 5279.1,3107.32 5279.1,2823.74 ccw(c5404.1,2823.74) 5315.71,2735.36 5368.74,2682.32 ccw(c5434.71,2748.28) 5434.71,2655 5590,2655 ccw(c5590,2780) 5678.39,2691.61 5734.68,2747.9 ccw(c5697.57,2785) 5750.04,2785 5750.04,2805.23 ccw(c5650.04,2805.23) 5720.75,2875.94 J5.2@5704.93,2891.76
DP1_P: IC11.6 J5.3 | length 1452.9
  Top Layer w15: IC11.6@5001.42,3418 5001.42,3347.84 ccw(c5101.42,3347.84) 5030.71,3277.13 v1(5056.42,3251.42) ; v1(5711.42,2785) cw(c5794.74,2785) 5735.82,2843.91 J5.3@5783.67,2891.76
  Bottom Layer w15: v1(5056.42,3251.42) ccw(c5108.14,3303.14) 5108.14,3230 5166.42,3230 cw(c5166.42,3108.43) 5252.38,3194.39 5279.1,3167.68 cw(c5218.74,3107.32) 5304.1,3107.32 5304.1,2823.74 ccw(c5404.1,2823.74) 5333.39,2753.03 5386.42,2700 ccw(c5434.71,2748.28) 5434.71,2680 5590,2680 ccw(c5590,2780) 5660.71,2709.29 5693.74,2742.32 ccw(c5651.07,2785) v1(5711.42,2785)
DP2_N: IC9.5 J5.6 | length 477
  Top Layer w15: IC9.5@5551.42,3418 5551.42,3306.42 ccw(c5676.42,3306.42) 5588.03,3218.03 5675.64,3130.42 cw(c5604.93,3059.71) 5704.93,3059.71 J5.6@5704.93,2994.91
DP2_P: IC9.6 J5.7 | length 491.7
  Top Layer w15: IC9.6@5601.42,3418 5601.42,3254.14 ccw(c5635.56,3254.14) 5611.42,3230 5747.06,3094.36 cw(c5658.67,3005.97) 5783.67,3005.97 J5.7@5783.67,2994.91
DP3_N: IC10.5 J6.2 | length 1306.8
  Top Layer w15: IC10.5@6156.42,3418 6156.42,3389.18 ccw(c6199.1,3389.18) 6168.92,3359 6168.92,2823.92 ccw(c6293.92,2823.92) 6205.53,2735.53 6253.74,2687.32 ccw(c6319.71,2753.28) 6319.71,2660 6454.26,2660 ccw(c6454.26,2785) 6542.65,2696.61 6601.14,2755.1 ccw(c6566.23,2790) 6615.59,2790 ccw(c6577.39,2790) 6604.4,2817.02 6595.73,2825.69 cw(c6661.73,2891.69) J6.2@6568.39,2891.69
DP3_P: IC10.6 J6.3 | length 1223.8
  Top Layer w15: IC10.6@6206.42,3418 6206.42,3389.18 cw(c6163.74,3389.18) 6193.92,3359 6193.92,2823.92 ccw(c6293.92,2823.92) 6223.21,2753.21 6271.42,2705 ccw(c6319.71,2753.28) 6319.71,2685 6435,2685 ccw(c6435,2785) 6505.71,2714.29 v1(6571.42,2780)
  Bottom Layer w15: v1(6571.42,2780) 6621.69,2830.26 ccw(c6560.26,2891.69) J6.3@6647.13,2891.69
DP4_N: IC8.5 J6.6 | length 496.1
  Top Layer w15: J6.6@6568.39,2994.84 cw(c6623.8,2994.84) 6584.62,3034.03 6731.31,3180.71 ccw(c6660.59,3251.42) 6760.59,3251.42 IC8.5@6760.59,3418
DP4_P: IC8.6 J6.7 | length 481.2
  Top Layer w15: J6.7@6647.13,2994.84 6647.13,3019.76 cw(c6747.13,3019.76) 6676.42,3090.47 6773.98,3188.03 ccw(c6685.59,3276.42) 6810.59,3276.42 IC8.6@6810.59,3418
ESP_RX0: IC12.2 IC13.34 | length 1454.3
  Top Layer w25: IC12.2@3651.22,4180 v1(3651.22,4231.91) ; IC13.34@3765,5384.29 v1(3765,5450)
  Bottom Layer w25: v1(3651.22,4231.91) 3651.22,4298.78 3565,4385 3565,5250 v1(3765,5450)
ESP_TX0: IC12.3 IC13.35 | length 1281.5
  Top Layer w25: IC12.3@3701.22,4180 v1(3701.22,4230.69) ; v1(3715,5320) IC13.35@3715,5384.29
  Bottom Layer w25: v1(3701.22,4230.69) 3701.22,4313.78 3614.87,4400.13 3614.87,5219.87 v1(3715,5320)